# Altium PCB IMX035_PCB_Rev_C.c.PcbDoc (part 1 of 2) (continued)
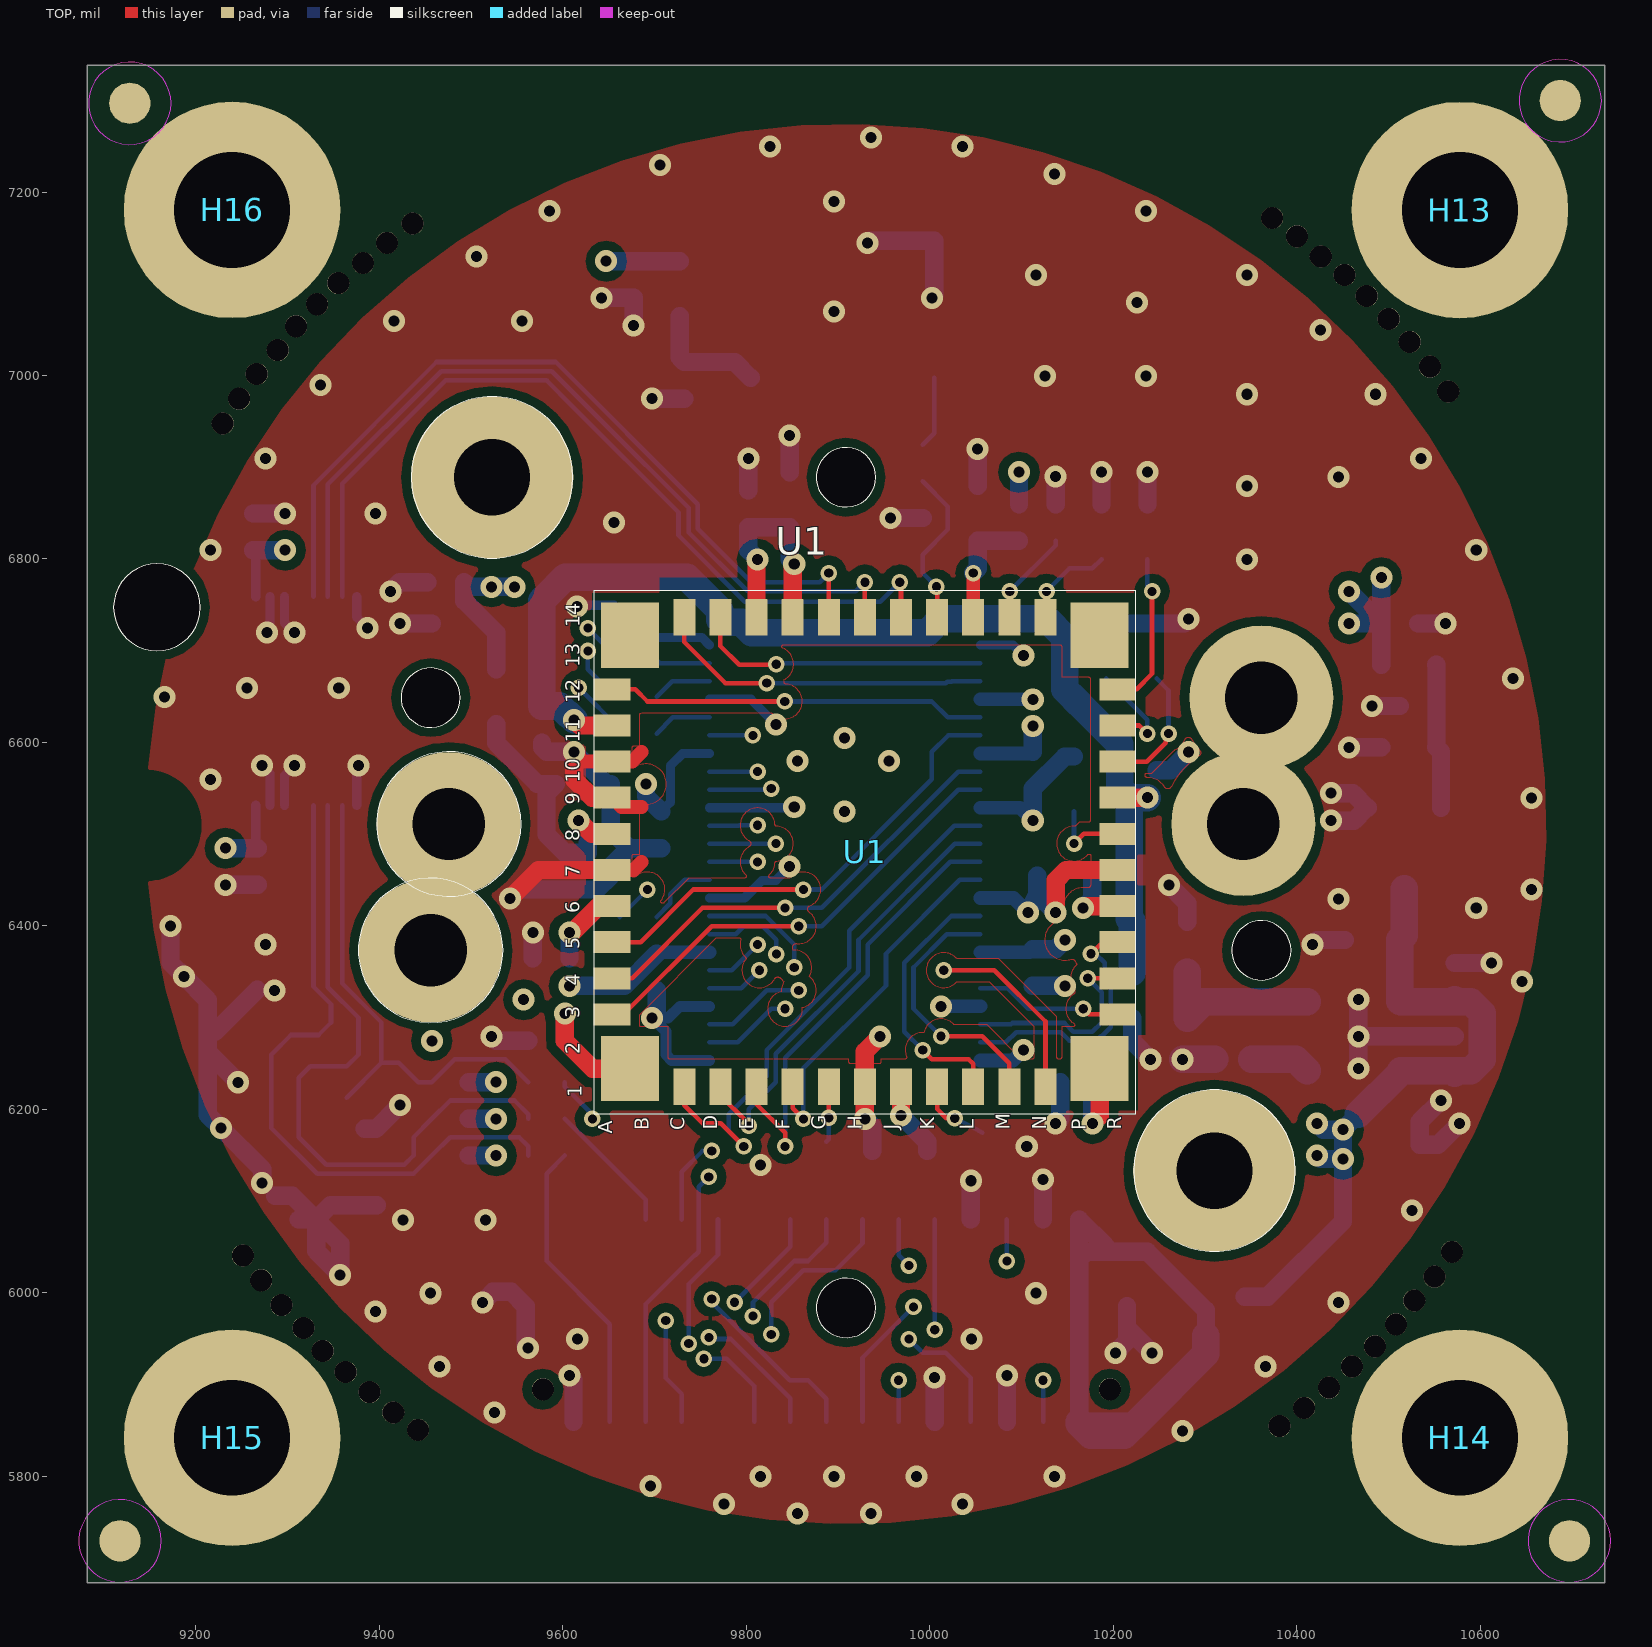
[diagram p0: TOP view]
## Design rules (kind name [scope] priority, off if disabled: settings)
Clearance Net_Clearance_1_7 [InNet('DCKP_S')] p1: gap=10
Clearance Net_Clearance_1_6 [InNet('HS')] p2: gap=10
Clearance Net_Clearance_1_5 [InNet('PCLK')] p3: gap=15
Clearance Net_Clearance_1_4 [InNet('MCLK')] p4: gap=15
Clearance Net_Clearance_1_3 [InNet('XHS_S')] p5: gap=10
Clearance Net_Clearance_1_2 [InNet('N22564367')] p6: gap=10
Clearance Net_Clearance_1_1 [InNet('N22565109')] p7: gap=10
Clearance Net_Clearance_1 [InNet('N22565100')] p8: gap=10
Clearance [All] p9: gap=10
PlaneConnect [All] p1: planeconnectstyle=Direct reliefexpansion=20 reliefentries=4 reliefconductorwidth=10 reliefairgap=10
PolygonConnect [All] p1: connectstyle=Direct reliefconductorwidth=10 reliefentries=4 polygonreliefangle="90 Angle"
RoutingVias [All] p1: holewidth=28 width=50 viastyle="Through Hole" minholewidth=28 minwidth=50 maxholewidth=28 maxwidth=50
SilkscreenOverComponentPads [All] p1: minsilkscreentomaskgap=10
SolderMaskExpansion [All] p1: expansion=4
Width [All] p1: maxlimit=10 minlimit=10 preferedwidth=10 impedancedriven=TRUE minimp=0.000000 maximp=0.000000 favimp=100000000000000005400000000000000.000000
26 further rules are at their usual default settings.

## Components (designator, comment, footprint, x,y, rotation, side; value= is the part's Value field where it differs from the comment)
C1 "C0603" C0603 10250.7,6404.54 r180 bottom
C2 "C0603" C0603 10250.7,6299.54 r0 bottom
C3 "C0603" C0603 10157.25,6554.65 r90 bottom
C4 "C0402" C0402 10330.7,6254.54 r0 bottom
C5 "C0603" C0603 10247.25,6699.65 r90 bottom
C6 "C0603" C0603 10192.25,6699.65 r90 bottom
C7 "C0603" C0603 10237.25,6829.65 r90 bottom
C8 "C0603" C0603 10187.25,6829.65 r90 bottom
C9 "C0603" C0603 10482.25,6384.65 r0 bottom
C10 "C0603" C0603 9622.25,6554.65 r180 bottom
C11 "C0603" C0603 9582.25,6469.65 r90 bottom
C12 "C0603" C0603 9487.25,6729.65 r0 bottom
C13 "C0603" C0603 10522.25,6594.65 r0 bottom
C14 "C0603" C0603 9967.25,6154.65 r0 bottom
C15 "C0603" C0603 10147.25,6454.65 r0 bottom
C16 "C0603" C0603 9847.25,6864.65 r270 bottom
C17 "C0603" C0603 10052.25,6849.65 r90 bottom
C18 "C1206" C1206 10492.25,6119.65 r225 bottom
C19 "C0402" C0402 9992.25,6824.65 r270 bottom
CP1 "C0402" C0402 10227.25,6569.65 r180 bottom
CP2 "C0402" C0402 9577.25,6619.65 r90 bottom
CP3 "C0402" C0402 9707.25,6504.65 r90 bottom
CP4 "C0402" C0402 10532.25,6639.65 r0 bottom
CP5 "C0402" C0402 9627.25,6459.65 r90 bottom
CP6 "C0402" C0402 9472.25,6774.65 r0 bottom
CP7 "C0402" C0402 10112.25,6569.65 r90 bottom
CP8 "C0402" C0402 10112.25,6354.65 r90 bottom
CP9 "C0402" C0402 10512.25,6729.65 r180 bottom
CP10 "C0402" C0402 9802.25,6854.65 r270 bottom
CP11 "C0402" C0402 10572.25,6339.65 r270 bottom
CP12 "C0402" C0402 9677.25,7104.65 r90 bottom
CP13 "C0402" C0402 9702.25,6349.65 r90 bottom
CP14 "C0402" C0402 9262.25,6829.65 r270 bottom
CP15 "C0402" C0402 9267.25,6464.65 r90 bottom
CP16 "C0402" C0402 9732.25,6994.65 r90 bottom
CP17 "C0402" C0402 9587.25,6364.65 r0 bottom
CP18 "C0402" C0402 10572.25,6259.65 r270 bottom
H13 "C236D118" C236D118 10577.96,7180.36 r0 top
H14 "C236D118" C236D118 10577.96,5841.84 r0 top
H15 "C236D118" C236D118 9239.38,5841.84 r0 top
H16 "C236D118" C236D118 9239.38,7180.42 r0 top
HS1 "TP" TP 9887.25,6164.65 r0 bottom
J1 "CON30_1MM" CON30_1MM 9887.25,5969.65 r0 bottom
J6 "CON4_1MM" CON4_1MM 9302.25,6199.65 r120 bottom
L1 "L0603" L0603 10250.7,6349.54 r0 bottom
L2 "L0603" L0603 10522.25,6684.65 r0 bottom
L3 "L0603" L0603 9527.25,6649.65 r90 bottom
L4 "L0603" L0603 10322.25,5974.65 r45 bottom
L5 "L0603" L0603 9727.25,7094.65 r90 bottom
R1 "R0402" R0402 10162.25,6229.65 r180 bottom
R2 "R0402" R0402 9582.25,6274.65 r0 bottom
R3 "R0402" R0402 10097.25,6839.65 r270 bottom
R4 "R0402" R0402 10137.25,6839.65 r90 bottom
R5 "R0402" R0402 9682.25,6689.65 r0 bottom
R6 "R0402" R0402 9682.25,6649.65 r0 bottom
R7 "R0402" R0402 9682.25,6609.65 r0 bottom
R8 "R0402" R0402 9582.25,6229.65 r180 bottom
R9 "R0402" R0402 9477.25,6149.65 r180 bottom
R10 "R0402" R0402 9477.25,6189.65 r180 bottom
R11 "R0402" R0402 9682.25,6409.65 r0 bottom
R12 "R0402" R0402 9582.25,6189.65 r0 bottom
R13 "R0402" R0402 9477.25,6229.65 r180 bottom
R14 "R0402" R0402 9582.25,6149.65 r180 bottom
R17 "R0402" R0402 9992.25,6904.65 r90 bottom
U1 "SENSOR_IMX035ES" SENSOR_IMX035ES 9929.25,6480.65 r90 top
U2 "Q_SOT23-5" Q_SOT23-5 10462.25,6279.65 r0 bottom
U3 "SOT-23" SOT-23 10517.25,6484.65 r180 bottom
U4 "TSSOP48-74LCX16245" TSSOP48-74LCX16245 9907.25,6479.65 r90 bottom
U5 "MPDS006C_16P" MPDS006C_16P 9322.25,6644.65 r180 bottom
VS1 "TP" TP 10057.25,6174.65 r0 bottom
X1 "OSC_SWOXX_H7XV5MM" OSC_SWOXX_H7XV5MM 9902.25,7074.65 r180 bottom

## Footprints (in the part's own frame and the unit in brackets; to place one, negate y for a bottom-side part, rotate by r counter-clockwise, add the part's x,y. Pads: shape width x height; smd on the part's side, far side on the other; paste and mask are expansions set on the pad)
C236D118 [mil] "C236D118"
  round 236 hole 126: 1(0,0)
C0402 [mil] "C0402"
  rect 20x20 smd: 1(20.05,0) 2(-19.95,0)
  silkscreen extent -39,-19 39,19
C0603 [mil] "C0603"
  rect 30x30 smd: 1(30,0) 2(-30,0)
  silkscreen extent -55,-25 55,25
C1206 [mil] "C1206"
  rect 53x70 smd: 1(59.1,0) 2(-59.1,0)
  silkscreen extent -100,-45 100,45
CON4_1MM [mil] "CON4_1MM"
  rect 24x60 smd: 1(59.06,60.52) 2(19.69,60.52) 3(-19.69,60.52) 4(-59.06,60.52)
  rect 47.01x79.02 smd: 5(-118.11,-34.95) 6(118.11,-34.95)
  silkscreen extent -118,-89 118,49
CON30_1MM [mil] "CON30_1MM"
  rect 24x65 smd: 1(275.59,110.24) 2(275.59,-110.24) 3(236.22,110.24) 4(236.22,-110.24) 5(196.85,110.24) 6(196.85,-110.24) 7(157.48,110.24) 8(157.48,-110.24) 9(118.11,110.24) 10(118.11,-110.24) 11(78.74,110.24) 12(78.74,-110.24) 13(39.37,110.24) 14(39.37,-110.24) 15(0,110.24) 16(0,-110.24) 17(-39.37,110.24) 18(-39.37,-110.24) 19(-78.74,110.24) 20(-78.74,-110.24) 21(-118.11,110.24) 22(-118.11,-110.24) 23(-157.48,110.24) 24(-157.48,-110.24) 25(-196.85,110.24) 26(-196.85,-110.24) 27(-236.22,110.24) 28(-236.22,-110.24) 29(-275.59,110.24) 30(-275.59,-110.24)
  rect 35x70 smd: 31(-327.76,-15.75) 32(327.76,-15.75)
  round 24 hole 24: 33(-309.06,74.8) 34(309.06,74.8)
  silkscreen extent -343,-106 343,106
L0603 [mil] "L0603"
  rect 30x30 smd: 1(30,0) 2(-30,0)
  silkscreen extent -55,-25 55,25
MPDS006C_16P [mil] "MPDS006C_16P"
  rect 8x39 smd: 1(57.09,114.18) 2(41.34,114.18) 3(25.59,114.18) 4(9.84,114.18) 5(-5.9,114.18) 6(-21.65,114.18) 7(-37.4,114.18) 8(-53.15,114.18) 9(-53.15,-113.18) 10(-37.4,-113.18) 11(-21.65,-113.18) 12(-5.9,-113.18) 13(9.84,-113.18) 14(25.59,-113.18) 15(41.34,-113.18) 16(57.09,-113.18)
  silkscreen extent -67,-86 89,121
OSC_SWOXX_H7XV5MM [mil] "OSC_SWOXX_H7XV5MM"
  rect 87x79 smd: 1(97.5,72.3) 2(-102.5,72.3) 3(-102.5,-77.3) 4(97.5,-77.3)
  silkscreen extent -140,-101 164,96
Q_SOT23-5 [mil] "Q_SOT23-5"
  rect 39x27 smd: 1(51,-37.4) 2(51,0) 3(51,37.4) 4(-51,37.4) 5(-51,-37.4)
  silkscreen extent -10462,-90 82,6280
R0402 [mil] "R0402"
  rect 20x20 smd: 1(20,0) 2(-20,0)
  silkscreen extent -40,-20 40,20
SENSOR_IMX035ES [mil] "SENSOR_IMX035ES"
  rect 71x63 smd: A1(-236.22,255.91) A14(236.22,255.91) R1(-236.22,-255.91) R14(236.22,-255.91)
  rect 24x40 smd: A3(-177.17,275.59) A4(-137.8,275.59) A5(-98.43,275.59) A6(-59.06,275.59) A7(-19.69,275.59) A8(19.69,275.59) A9(59.06,275.59) A10(98.43,275.59) A11(137.8,275.59) A12(177.17,275.59) R3(-177.17,-275.59) R4(-137.8,-275.59) R5(-98.43,-275.59) R6(-59.06,-275.59) R7(-19.69,-275.59) R8(19.69,-275.59) R9(59.06,-275.59) R10(98.43,-275.59) R11(137.8,-275.59) R12(177.17,-275.59)
  rect 40x24 smd: C1(-255.91,196.85) C14(255.91,196.85) D1(-255.91,157.48) D14(255.91,157.48) E1(-255.91,118.11) E14(255.91,118.11) F1(-255.91,78.74) F14(255.91,78.74) G1(-255.91,39.37) G14(255.91,39.37) H1(-255.91,0) H14(255.91,0) J1(-255.91,-39.37) J14(255.91,-39.37) K1(-255.91,-78.74) K14(255.91,-78.74) L1(-255.91,-118.11) L14(255.91,-118.11) M1(-255.91,-157.48) M14(255.91,-157.48) N1(-255.91,-196.85) N14(255.91,-196.85)
  silkscreen extent -285,-295 285,295
SOT-23 [mil] "SOT-23"
  rect 40x50 smd: 1(40,44) 2(-40,44) 3(0,-44)
  silkscreen extent -60,-28 60,28
TP [mil] "TP"
  round 30 smd: 1(0,0)
  silkscreen extent -22,-22 22,22
TSSOP48-74LCX16245 [mm] "TSSOP48-74LCX16245"
  rect 0.3x1.372 smd: 1(5.75,3.757) 2(5.25,3.757) 3(4.75,3.757) 4(4.25,3.757) 5(3.75,3.757) 6(3.25,3.757) 7(2.75,3.757) 8(2.25,3.757) 9(1.75,3.757) 10(1.25,3.757) 11(0.75,3.757) 12(0.25,3.757) 13(-0.25,3.757) 14(-0.75,3.757) 15(-1.25,3.757) 16(-1.75,3.757) 17(-2.25,3.757) 18(-2.75,3.757) 19(-3.25,3.757) 20(-3.75,3.757) 21(-4.25,3.757) 22(-4.75,3.757) 23(-5.25,3.757) 24(-5.75,3.757) 25(-5.75,-3.743) 26(-5.25,-3.743) 27(-4.75,-3.743) 28(-4.25,-3.743) 29(-3.75,-3.743) 30(-3.25,-3.743) 31(-2.75,-3.743) 32(-2.25,-3.743) 33(-1.75,-3.743) 34(-1.25,-3.743) 35(-0.75,-3.743) 36(-0.25,-3.743) 37(0.25,-3.743) 38(0.75,-3.743) 39(1.25,-3.743) 40(1.75,-3.743) 41(2.25,-3.743) 42(2.75,-3.743) 43(3.25,-3.743) 44(3.75,-3.743) 45(4.25,-3.743) 46(4.75,-3.743) 47(5.25,-3.743) 48(5.75,-3.743)
  silkscreen extent -6.25,-2.79 6.25,2.81

## Free pads (board coordinates)
  round 45 all layers, no hole: 1(9117.25,5729.65) 1(9127.92,7296.74) 1(10687.25,7299.65) 1(10697.25,5729.65)
  round 95 hole 95: 1(9157.54,6747.29)
  round 24 hole 24: 1(9229.19,6947.65) 1(9247.19,6974.65) 1(9251.19,6040.65) 1(9266.19,7001.65) 1(9271.19,6013.65) 1(9289.19,7027.65) 1(9293.19,5986.65) 1(9309.19,7053.65) 1(9317.19,5961.65) 1(9332.19,7077.65) 1(9338.19,5936.65) 1(9355.19,7100.65) 1(9363.19,5913.65) 1(9382.19,7122.65) 1(9389.19,5891.65) 1(9408.19,7144.65) 1(9415.19,5869.65) 1(9436.19,7165.65) 1(9442.19,5850.65) 1(10373.19,7171.65) 1(10381.19,5854.65) 1(10400.19,7151.65) 1(10408.19,5874.65) 1(10426.19,7129.65) 1(10435.19,5896.65) 1(10452.19,7109.65) 1(10460.19,5919.65) 1(10476.19,7086.65) 1(10485.19,5941.65) 1(10500.19,7061.65) 1(10508.19,5965.65) 1(10523.19,7036.65) 1(10528.19,5991.65) 1(10545.19,7009.65) 1(10550.19,6017.65) 1(10565.19,6982.65) 1(10569.19,6044.65)
  round 157 hole 79: 1(9455.92,6373.27) 1(9475.6,6511.07) 1(10341.74,6511.07) 1(10361.43,6648.86)
  round 65 hole 65: 1(9455.92,6648.86) 1(9908.67,6889.02) 1(9908.67,5983.51) 1(10361.43,6373.27)
  round 177 hole 83: 1(9522.85,6889.02) 1(10310.25,6133.12)

## Via types
v1: diameter 24, hole 12, TOP to BOTTOM, 177 vias
v2: diameter 18, hole 10, TOP to BOTTOM, 63 vias

## Nets (pads, with @x,y where several pads share a name; then routed paths per layer and width w, separated by ;. In a path a pad name is that pad's centre, name@x,y a point inside that pad or via, vN(x,y) a via of type N, cw(c..) or ccw(c..) an arc to the next point about the centre after c; other vN are vias at no path point)
3V3_S: C9.1 C18.1 CP3.1 CP11.1 CP13.1 CP15.1 CP18.1 L4.1 R9.2 R10.2 R13.2 U2.1 U2.3 U3.3 U4.31 U4.42 U5.16 | length 1284
  BOTTOM w10: U5.16@9265.17,6531.47 9265.17,6486.79 CP15.1@9267.25,6484.7 ; CP3.1@9707.25,6524.7 9717.25,6534.7 9717.25,6574.65 9730.52,6587.93 U4.42@9759.89,6587.93
  BOTTOM w15: CP13.1@9702.25,6369.7 9703.93,6371.38 U4.31@9759.89,6371.38
  BOTTOM w20: v1(9232.25,6484.65) v1(9232.25,6484.65) CP15.1@9267.25,6484.7 ; R9.2@9497.25,6149.65 v1(9527.25,6149.65) ; R10.2@9497.25,6189.65 v1(9527.25,6189.65) ; R13.2@9497.25,6229.65 v1(9527.25,6229.65) ; v1(9607.25,6334.65) 9667.25,6334.65 CP13.1@9702.25,6369.7 ; v1(9690.7,6554.54) 9690.7,6541.25 CP3.1@9707.25,6524.7 ; L4.1@10343.47,5995.87 10368.47,5995.87 C18.1@10450.46,6077.86 v1(10450.46,6145.94) ; v1(10422.25,6149.65) 10425.97,6145.94 v1(10450.46,6145.94) ; v1(10422.25,6184.65) 10429.04,6177.86 v1(10450.46,6177.86) ; 10467.25,6194.65 v1(10450.46,6177.86) ; CP18.1@10572.25,6239.6 10587.2,6239.6 10589.85,6242.25 ; CP11.1@10572.25,6319.6 10577.2,6314.65 10592.25,6314.65 ; v1(10450.46,6145.94) v1(10450.46,6177.86)
  BOTTOM w30: 10467.25,6194.65 10513.25,6240.65 U2.3@10513.25,6242.25 CP18.1@10569.61,6242.25 ; U3.3@10517.25,6440.65 10517.25,6389.65 C9.1@10512.25,6384.65 10512.25,6318.06 U2.1@10513.25,6317.06 CP11.1@10569.7,6317.06 ; CP18.1@10572.25,6239.6 CP18.1@10569.61,6242.25 ; CP11.1@10572.25,6319.6 CP11.1@10569.7,6317.06 ; CP18.1@10569.61,6242.25 10589.85,6242.25 10602.25,6254.65 10602.25,6304.65 10592.25,6314.65 10589.85,6317.06 CP11.1@10569.7,6317.06
  other v1: 9457.25,6274.65 9557.25,6319.65
A1V8_S: C10.1 C11.1 CP5.1 L3.2 U1.A8 | length 297.5
  TOP w20: v1(9617.25,6514.65) 9631.56,6500.34 U1.A8@9653.66,6500.34
  BOTTOM w20: L3.2@9527.25,6619.65 9527.25,6599.65 9572.25,6554.65 C10.1@9592.25,6554.65 9582.25,6544.65 C11.1@9582.25,6499.65 9602.2,6479.7 CP5.1@9627.25,6479.7 9627.25,6504.65 v1(9617.25,6514.65)
A2_3V3: 
A3V0_S: C1.1 CP1.1 CP2.1 L1.2 U1.A11 U1.R9 | length 1274.4
  TOP w20: v1(9612.25,6624.65) 9618.45,6618.45 U1.A11@9653.66,6618.45 ; U1.R9@10204.84,6539.71 v1(10237.25,6539.71)
  BOTTOM w30: v1(9612.25,6624.65) 9606.25,6630.65 9605.24,6630.65 9596.19,6639.7 CP2.1@9577.25,6639.7 9577.25,6754.65 9583.62,6761.02 9583.62,6761.16 9602.37,6779.91 9735.33,6779.91 9771.28,6743.96 9771.28,6733.53 9773.88,6730.94 9794.77,6730.94 9806.05,6719.65 9997.25,6719.65 10012.25,6734.65 10127.25,6734.65 10147.25,6714.65 10147.25,6657.99 10158.25,6646.99 10158.25,6646.78 10169.38,6635.65 10169.59,6635.65 10207.2,6598.04 CP1.1@10207.2,6569.65 10207.2,6549.71 10217.2,6539.71 ; L1.2@10220.7,6349.54 C1.1@10220.7,6404.54 10217.2,6408.04 10217.2,6539.71 ; v1(10237.25,6539.71) 10217.2,6539.71
AGND_2: 
D0: 
D1: 
D1V8_S: C12.1 C14.1 C15.1 CP6.1 CP7.1 CP8.1 CP9.1 CP12.1 CP14.1 CP17.1 L2.2 L3.1 L5.1 R3.2 U1.A6 U1.J1 U1.R6 U4.7 U4.18 U5.1 | length 977.2
  TOP w20: v1(9607.25,6392.65) 9610.25,6392.65 9639.19,6421.59 U1.A6@9653.66,6421.59 ; v1(9968.62,6193.28) U1.J1@9968.62,6224.74 ; v1(10167.25,6419.65) 10169.19,6421.59 U1.R6@10204.84,6421.59
  BOTTOM w10: CP14.1@9262.25,6809.6 9265.17,6806.69 U5.1@9265.17,6758.83
  BOTTOM w15: U4.18@10055.17,6371.38 10108.93,6371.38 CP8.1@10112.25,6374.7 ; U4.7@10055.17,6587.93 10110.48,6587.93 CP7.1@10112.25,6589.7
  BOTTOM w20: CP14.1@9262.25,6809.6 9297.2,6809.6 v1(9297.25,6809.65) ; L3.1@9527.25,6679.65 9527.25,6719.65 C12.1@9517.25,6729.65 9492.3,6754.6 CP6.1@9492.3,6774.65 9497.3,6769.65 v1(9522.25,6769.65) v1(9547.25,6769.65) ; v1(9607.25,6392.65) 9607.25,6389.6 CP17.1@9607.3,6364.65 ; v1(9647.25,7124.65) v1(9647.25,7124.65) CP12.1@9677.25,7124.7 9727.2,7124.7 L5.1@9727.25,7124.65 ; v1(9968.62,6193.28) 9997.25,6164.65 C14.1@9997.25,6154.65 ; R3.2@10097.25,6859.65 v1(10097.25,6894.65) ; CP8.1@10112.25,6374.7 10137.3,6374.7 v1(10147.25,6384.65) ; CP7.1@10112.25,6589.7 v1(10112.25,6617.7) ; v1(10167.25,6419.65) 10177.25,6429.65 C15.1@10177.25,6454.65 ; v1(10457.25,6729.65) CP9.1@10492.2,6729.65 10492.25,6729.6 L2.2@10492.25,6684.65 ; v1(10457.25,6764.65) CP9.1@10492.2,6729.65 v1(10492.2,6779.65)
D2: 
D2_1V2: 
D2_1V8: 
D2_3V3: 
D3: 
D4: 
D5: 
D6: 
D7: 
D8: 
D9: 
D10: 
D11: 
DCKP_S: U1.F1 U4.14 | length 393.5
  TOP w5: U1.F1@9850.51,6224.74 9850.51,6201.39 v2(9862.25,6189.65)
  BOTTOM w5: v2(9862.25,6189.65) 9862.25,6244.65 9952.25,6334.65 9952.25,6369.65 10032.72,6450.12 U4.14@10055.17,6450.12
DGND_2: 
DMODE_S: R4.2 U1.M14 | length 104
  TOP w5: U1.M14@10086.73,6736.56 10086.73,6764.13 v2(10087.25,6764.65)
  BOTTOM w5: v2(10087.25,6764.65) 10137.25,6814.65 R4.2@10137.25,6819.65
DOA0: U1.A5 U4.6 | length 512.4
  TOP w5: U1.A5@9653.66,6382.22 9684.82,6382.22 9742.25,6439.65 v2(9862.25,6439.65)
  BOTTOM w5: v2(9862.25,6439.65) 9882.25,6439.65 10002.25,6559.65 10002.25,6589.65 10020.2,6607.6 U4.6@10055.17,6607.6
DOA1: U1.A4 U4.8 | length 494.9
  TOP w5: U1.A4@9653.66,6342.85 9675.45,6342.85 9752.25,6419.65 v2(9842.25,6419.65)
  BOTTOM w5: v2(9842.25,6419.65) 9882.25,6419.65 10030.83,6568.23 U4.8@10055.17,6568.23
DOA2: U1.A3 U4.9 | length 503
  TOP w5: U1.A3@9653.66,6303.48 9666.08,6303.48 9762.25,6399.65 v2(9857.25,6399.65)
  BOTTOM w5: v2(9857.25,6399.65) 9882.25,6399.65 10031.16,6548.56 U4.9@10055.17,6548.56
DOA3: U1.C1 U4.11 | length 590.4
  TOP w5: U1.C1@9732.4,6224.74 9732.4,6204.5 9752.25,6184.65 9772.25,6184.65 v2(9797.25,6159.65)
  BOTTOM w5: v2(9797.25,6159.65) 9780.7,6176.2 9780.7,6194.54 9822.25,6236.09 9822.25,6264.65 9912.25,6354.65 9912.25,6394.65 10026.78,6509.18 U4.11@10055.17,6509.18
DOA4: U1.D1 U4.12 | length 484.1
  TOP w5: U1.D1@9771.77,6224.74 9771.77,6215.13 9799.94,6186.97 9799.94,6184.86 v2(9802.83,6181.97)
  BOTTOM w5: v2(9802.83,6181.97) 9802.83,6200.23 9832.25,6229.65 9832.25,6260.51 9922.25,6350.51 9922.25,6384.65 10027.09,6489.49 U4.12@10055.17,6489.49
DOA5: U1.E1 U4.13 | length 495.5
  TOP w5: U1.E1@9811.14,6224.74 9811.14,6205.76 9842.25,6174.65 v2(9842.25,6159.65)
  BOTTOM w5: v2(9842.25,6159.65) 9842.25,6256.37 9932.25,6346.37 9932.25,6379.65 10022.41,6469.81 U4.13@10055.17,6469.81
DOA6: U1.L1 U4.16 | length 293.5
  TOP w5: v2(9992.25,6264.65) 10002.25,6254.65 10042.25,6254.65 10047.36,6249.54 U1.L1@10047.36,6224.74
  BOTTOM w5: v2(9992.25,6264.65) 9972.25,6284.65 9972.25,6359.65 10023.35,6410.75 U4.16@10055.17,6410.75
DOA7: U1.M1 U4.17 | length 287.5
  TOP w5: v2(10012.25,6279.65) 10057.25,6279.65 10086.73,6250.17 U1.M1@10086.73,6224.74
  BOTTOM w5: v2(10012.25,6279.65) 9982.25,6309.65 9982.25,6354.65 10018.67,6391.07 U4.17@10055.17,6391.07
DOA8: U1.N1 U4.19 | length 245.1
  TOP w5: v2(10015.2,6351.7) 10070.2,6351.7 10126.1,6295.8 U1.N1@10126.1,6224.74
  BOTTOM w5: v2(10015.2,6351.7) U4.19@10055.17,6351.7
DOA9: U1.R3 U4.20 | length 161.5
  TOP w5: v2(10167.25,6309.65) 10173.42,6303.48 U1.R3@10204.84,6303.48
  BOTTOM w5: U4.20@10055.17,6332.01 10084.9,6332.01 10107.25,6309.65 v2(10167.25,6309.65)
DOA10: U1.R4 U4.22 | length 227.8
  TOP w5: v2(10172.25,6342.85) U1.R4@10204.84,6342.85
  BOTTOM w5: U4.22@10055.17,6292.64 10088.52,6292.64 10090.03,6294.15 10146.9,6294.15 10156.4,6284.65 10177.25,6284.65 10187.25,6294.65 10187.25,6327.85 v2(10172.25,6342.85)
DOA11: U1.R5 U4.23 | length 283
  TOP w5: v2(10175.7,6369.54) 10188.39,6382.22 U1.R5@10204.84,6382.22
  BOTTOM w5: U4.23@10055.17,6272.96 10082.99,6272.96 10094.17,6284.15 10142.75,6284.15 10152.25,6274.65 10181.4,6274.65 10186.4,6279.65 10187.25,6279.65 10197.25,6289.65 10197.25,6337.84 10190.56,6344.53 10190.56,6359.68 10180.7,6369.54 v2(10175.7,6369.54)
GND_S: C1.2 C2.2 C3.1 C4.2 C5.1 C6.1 C7.1 C8.1 C9.2 C10.2 C11.2 C12.2 C13.2 C14.2 C15.2 C16.2 C17.1 C18.2 C19.2 CP1.2 CP2.2 CP3.2 CP4.2 CP5.2 CP6.2 CP7.2 CP8.2 CP9.2 CP10.2 CP11.2 CP12.2 CP13.2 CP14.2 CP15.2 CP16.2 CP17.2 CP18.2 J1.4 J1.5 J1.8 J1.9 J1.29 J1.31 J1.32 J6.4 J6.5 J6.6 R1.1 R2.2 R4.1 U1.A7 U1.A9 U1.A10 U1.H1 U1.R7 U2.2 U3.1 U4.1 U4.4 U4.10 U4.15 U4.21 U4.24 U4.25 U4.28 U4.34 U4.39 U4.45 U4.48 U5.2 U5.3 U5.8 U5.9 U5.14 U5.15 X1.2 | length 5189.1
  TOP w15: v1(9612.25,6589.65) 9622.82,6579.08 U1.A10@9653.66,6579.08 9675.25,6579.08 9685.7,6589.54 ; U1.A7@9653.66,6460.96 9677.13,6460.96 9685.7,6469.54 ; U1.A9@9653.66,6539.71 9663.83,6529.54 9685.7,6529.54
  TOP w20: v1(9542.25,6429.65) 9573.56,6460.96 U1.A7@9653.66,6460.96 ; v1(9612.25,6589.65) 9612.25,6559.65 9632.19,6539.71 U1.A9@9653.66,6539.71 ; v1(9929.25,6189.65) U1.H1@9929.25,6224.74 9929.25,6263.09 v1(9945.7,6279.54) ; v1(10137.25,6414.65) 10137.25,6449.65 10148.56,6460.96 U1.R7@10204.84,6460.96
  BOTTOM w10: v1(9272.25,6574.65) 9280.91,6565.99 U5.15@9280.91,6531.47 ; v1(9277.25,6719.65) 9280.91,6723.31 U5.2@9280.91,6758.83 ; U5.14@9296.67,6531.47 9296.67,6564.06 v1(9307.25,6574.65) ; U5.3@9296.67,6758.83 9296.67,6730.24 v1(9307.25,6719.65) ; U5.9@9375.4,6531.47 9375.4,6572.8 v1(9377.25,6574.65) ; U5.8@9375.4,6758.83 9375.4,6736.51 v1(9387.25,6724.65) ; v1(9615.62,6747.91) 9617.25,6749.54 9655.7,6749.54 9690.7,6714.54 9751.38,6714.54 U4.48@9759.89,6706.03 ; U4.34@9759.89,6430.44 9798.04,6430.44 9817.25,6449.65 9832.25,6449.65 v1(9847.25,6464.65) ; U4.39@9759.89,6528.86 9851.46,6528.86 v1(9852.25,6529.65) ; U4.45@9759.89,6646.97 9804.93,6646.97 v1(9832.25,6619.65) ; U4.1@10055.17,6706.03 10090.87,6706.03 v1(10102.25,6694.65)
  BOTTOM w12: U4.25@9759.89,6253.27 9718.64,6253.27 9712.25,6259.65 9712.25,6284.65 v1(9697.25,6299.65) 9714.78,6299.65 9727.46,6312.33 U4.28@9759.89,6312.33
  BOTTOM w15: v1(10012.25,6312.33) U4.21@10055.17,6312.33 ; U4.24@10055.17,6253.27 10090.87,6253.27 v1(10102.25,6264.65) ; U4.15@10055.17,6430.44 10091.46,6430.44 v1(10107.25,6414.65) ; U4.10@10055.17,6528.86 10098.04,6528.86 v1(10112.25,6514.65) ; U4.4@10055.17,6646.97 v1(10112.25,6646.97)
  BOTTOM w20: v1(9172.25,6399.65) 9172.25,6359.65 v1(9187.25,6344.65) 9212.93,6318.98 J6.6@9212.93,6284.47 ; v1(9232.25,6444.65) v1(9232.25,6444.65) CP15.2@9267.25,6444.7 ; v1(9245.7,6229.54) J6.6@9212.93,6262.31 ; CP14.2@9262.25,6849.6 9297.2,6849.6 v1(9297.25,6849.65) ; 9266.95,6330.54 9220.87,6284.47 J6.6@9212.93,6284.47 ; v1(9272.25,6119.65) 9272.25,6134.65 v1(9227.25,6179.65) 9212.93,6193.98 J6.6@9212.93,6262.31 ; 9286.16,6105.74 9305.19,6105.74 J6.5@9331.04,6079.89 ; J6.5@9312.01,6079.89 J6.5@9331.04,6079.89 ; J6.4@9384.19,6178.77 9396.37,6178.77 v1(9422.25,6204.65) ; 9396.95,6095.54 9346.69,6095.54 J6.5@9331.04,6079.89 ; v1(9412.25,6764.65) 9422.25,6774.65 CP6.2@9452.3,6774.65 ; v1(9422.25,6729.65) C12.2@9457.25,6729.65 ; v1(9512.25,5989.65) 9523.65,6001.05 9543.84,6001.05 J1.31@9559.49,5985.4 9559.49,5942.41 v1(9562.25,5939.65) ; v1(9522.25,6279.65) 9527.25,6274.65 R2.2@9562.25,6274.65 ; v1(9542.25,6429.65) 9552.25,6439.65 C11.2@9582.25,6439.65 C11.2@9582.25,6439.65 CP5.2@9627.25,6439.7 9637.3,6439.7 9652.25,6454.65 9652.25,6464.65 9672.25,6484.65 ; CP17.2@9567.3,6364.65 v1(9567.3,6392.65) ; CP2.2@9577.25,6599.7 9577.25,6594.65 9582.25,6589.65 v1(9612.25,6589.65) 9647.25,6554.65 C10.2@9652.25,6554.65 9652.25,6504.65 9672.25,6484.65 ; v1(9607.25,5909.65) 9611.66,5905.24 J1.29@9611.66,5859.41 ; v1(9642.25,7084.65) v1(9642.25,7084.65) CP12.2@9677.25,7084.7 v1(9677.25,7054.65) ; v1(9697.25,6299.65) 9702.25,6304.65 CP13.2@9702.25,6329.7 ; v1(9697.25,6974.65) v1(9697.25,6974.65) CP16.2@9732.25,6974.7 ; CP3.2@9707.25,6484.7 9707.2,6484.65 9672.25,6484.65 ; CP10.2@9802.25,6874.6 v1(9802.25,6909.65) ; C16.2@9847.25,6894.65 v1(9847.25,6934.65) ; v1(9929.25,6189.65) 9937.25,6181.65 C14.2@9937.25,6154.65 ; v1(9932.25,7144.65) 9934.55,7146.95 X1.2@10004.75,7146.95 10004.75,7087.15 v1(10002.25,7084.65) ; v1(9957.25,6844.65) 9957.3,6844.6 C19.2@9992.25,6844.6 ; J1.9@10005.36,5859.41 v1(10005.36,5907.76) ; J1.8@10044.73,6079.89 v1(10044.73,6122.17) ; C17.1@10052.25,6879.65 v1(10052.25,6919.65) ; J1.5@10084.1,5859.41 v1(10084.1,5909.65) ; v1(10107.25,6414.65) 10117.25,6434.65 ; CP8.2@10112.25,6334.7 v1(10147.2,6334.7) ; v1(10112.25,6514.65) CP7.2@10112.25,6549.7 10147.2,6584.65 C3.1@10157.25,6584.65 ; C15.2@10117.25,6454.65 10117.25,6434.65 ; J1.4@10123.47,6079.89 v1(10123.47,6123.43) ; v1(10137.25,6184.65) 10142.25,6189.65 R1.1@10142.25,6229.65 ; v1(10137.25,6414.65) 10117.25,6434.65 ; R4.1@10137.25,6859.65 v1(10137.25,6889.65) ; C8.1@10187.25,6859.65 v1(10187.25,6894.65) ; C6.1@10192.25,6729.65 C5.1@10247.25,6729.65 10277.25,6729.65 v1(10282.25,6734.65) ; v1(10202.25,5934.65) 10215.01,5947.41 J1.32@10215.01,5961.89 ; J1.32@10215.01,5985.4 J1.32@10215.01,5961.89 ; C2.2@10220.7,6299.54 10220.7,6274.54 v1(10240.7,6254.54) ; C7.1@10237.25,6859.65 v1(10237.25,6894.65) ; v1(10242.25,5934.65) J1.32@10215.01,5961.89 ; CP1.2@10247.2,6569.65 10262.25,6569.65 v1(10282.25,6589.65) ; v1(10260.7,6444.54) 10280.7,6424.54 C1.2@10280.7,6404.54 ; v1(10417.25,6379.65) 10422.25,6384.65 C9.2@10452.25,6384.65 ; v1(10437.25,6514.65) 10462.25,6514.65 10476.25,6528.65 U3.1@10477.25,6528.65 10461.25,6544.65 v1(10437.25,6544.65) ; v1(10457.25,6594.65) C13.2@10492.25,6594.65 ; v1(10467.25,6244.65) v1(10467.25,6279.65) ; v1(10467.25,6319.65) v1(10467.25,6279.65) ; v1(10482.25,6639.65) CP4.2@10512.3,6639.65 ; CP9.2@10532.2,6729.65 v1(10562.25,6729.65) ; v1(10557.25,6209.65) 10534.04,6186.44 C18.2@10534.04,6161.44 10554.04,6161.44 v1(10577.25,6184.65) ; CP18.2@10572.25,6279.6 10513.3,6279.6 U2.2@10513.25,6279.65 v1(10467.25,6279.65) ; CP11.2@10572.25,6359.6 10612.2,6359.6 v1(10612.25,6359.65) ; J6.6@9212.93,6262.31 J6.6@9212.93,6284.47 ; J6.5@9331.04,6079.89 9357.25,6053.68 v1(9357.25,6019.65) 9331.04,6045.86 J6.5@9331.04,6079.89
  BOTTOM w30: v1(10275.7,6254.54) C4.2@10310.75,6254.54
  other v1: 9855.7,5759.54 9935.7,5759.54 9775.7,5769.54 10035.7,5769.54 9695.7,5789.54 9815.7,5799.54 9895.7,5799.54 9985.7,5799.54 10135.7,5799.54 10275.7,5849.54 9525.7,5869.54 9465.7,5919.54 10365.7,5919.54 9615.7,5949.54 10045.7,5949.54 9395.7,5979.54 10445.7,5989.54 9455.7,5999.54 10115.7,5999.54 9425.7,6079.54 9515.7,6079.54 10525.7,6089.54 9815.7,6139.54 10105.7,6159.54 9285.7,6329.54 10645.7,6339.54 9275.7,6379.54 10595.7,6419.54 10445.7,6429.54 10655.7,6439.54 9907.25,6524.65 10655.7,6539.54 9215.7,6559.54 9855.7,6579.54 9955.7,6579.54 9907.25,6604.65 9165.7,6649.54 9255.7,6659.54 9355.7,6659.54 10635.7,6669.54 10345.7,6799.54 9215.7,6809.54 10595.7,6809.54 9655.7,6839.54 9395.7,6849.54 10345.7,6879.54 10445.7,6889.54 9275.7,6909.54 10535.7,6909.54 10345.7,6979.54 10485.7,6979.54 9335.7,6989.54 10125.7,6999.54 10235.7,6999.54 10425.7,7049.54 9415.7,7059.54 9555.7,7059.54 9895.7,7069.54 10225.7,7079.54 10115.7,7109.54 10345.7,7109.54 9505.7,7129.54 9585.7,7179.54 10235.7,7179.54 9895.7,7189.54 10135.7,7219.54 9705.7,7229.54 9825.7,7249.54 10035.7,7249.54 9935.7,7259.54
HS: 
INCK_S: C19.1 R17.2 U1.K14 | length 177.4
  TOP w5: v2(10007.25,6769.65) 10007.99,6768.91 U1.K14@10007.99,6736.56
  BOTTOM w5: C19.1@9992.25,6804.6 9992.25,6784.65 v2(10007.25,6769.65) ; C19.1@9992.25,6804.65 10019.75,6832.15 10019.75,6857.15 R17.2@9992.25,6884.65
MCLK: 
N22563970: CP16.1 L5.2 X1.4 | length 131.7
  BOTTOM w20: L5.2@9727.25,7064.65 9727.25,7019.7 CP16.1@9732.25,7014.7 9787.41,7014.7 X1.4@9804.75,6997.35
N22563992: C13.1 CP4.1 L2.1 U3.2 | length 158.1
  BOTTOM w20: L2.1@10552.25,6684.65 10552.3,6684.6 CP4.1@10552.3,6639.65 C13.1@10552.25,6594.65 C13.1@10552.25,6594.65 10557.25,6589.65 U3.2@10557.25,6528.65
N22564127: J1.17 R8.2 | length 484.9
  A-GND w5: v2(9632.25,6189.65) 9632.25,6079.65 9757.25,5954.65 9757.25,5953.39 v2(9759.24,5951.4)
  BOTTOM w5: R8.2@9602.25,6229.65 9602.25,6224.65 9632.25,6194.65 v2(9632.25,6189.65) ; v2(9759.24,5951.4) 9760.99,5949.65 9783.11,5949.65 9847.88,5884.88 J1.17@9847.88,5859.41
N22564288: R1.2 U1.R1 | length 110.1
  TOP w20: v1(10177.25,6184.65) 10185.16,6192.56 U1.R1@10185.16,6244.43
  BOTTOM w20: v1(10177.25,6184.65) 10177.25,6224.65 R1.2@10182.25,6229.65
N22564333: R17.1 X1.3 | length 77.9
  BOTTOM w5: R17.1@9992.25,6924.65 10004.75,6937.15 X1.3@10004.75,6997.35
N22564367: R11.1 U4.35 | length 80.3
  BOTTOM w5: R11.1@9702.25,6409.65 9717.25,6424.65 9717.25,6434.65 9732.72,6450.12 U4.35@9759.89,6450.12
N22564387: C4.1 U2.4 | length 65.6
  BOTTOM w30: C4.1@10350.75,6254.54 10398.97,6254.54 U2.4@10411.25,6242.25
N22564774: J1.26 R12.1 | length 146.3
  BOTTOM w5: R12.1@9602.25,6189.65 9690.4,6101.5 J1.26@9690.4,6079.89
N22564801: J1.1 J1.2 L4.2 | length 729.5
  BOTTOM w20: 10227.01,5859.41 J1.1@10162.84,5859.41 10162.84,6036.58 ; L4.2@10301.04,5953.44 10301.04,5980.87 10237.25,6044.65 10191.38,6044.65 ; 10162.84,6036.58 J1.2@10162.84,6079.89 10191.38,6051.36 10191.38,6044.65 ; 10162.84,6036.58 10170.92,6044.65 10191.38,6044.65
  BOTTOM w30: J1.1@10162.84,5859.41 10162.84,5857.4 10175.7,5844.54 10212.14,5844.54 10227.01,5859.41 10301.04,5933.44 L4.2@10301.04,5953.44
N22564890: C8.2 U1.N14 | length 103.1
  TOP w5: U1.N14@10126.1,6736.56 10126.1,6763.5 v2(10127.25,6764.65)
  BOTTOM w5: v2(10127.25,6764.65) 10152.25,6789.65 10177.25,6789.65 C8.2@10187.25,6799.65
N22565076: R7.1 U4.44 | length 64.9
  BOTTOM w5: R7.1@9702.25,6609.65 9719.9,6627.3 U4.44@9759.89,6627.3
N22565100: R5.1 U4.47 | length 59
  BOTTOM w5: R5.1@9702.25,6689.65 9705.56,6686.34 U4.47@9759.89,6686.34
N22565109: R6.1 U4.46 | length 64.7
  BOTTOM w5: R6.1@9702.25,6649.65 9719.26,6666.66 U4.46@9759.89,6666.66
N22565281: R2.1 U1.A1 | length 143.6
  TOP w20: v1(9602.25,6304.65) 9602.25,6274.65 9632.47,6244.43 U1.A1@9673.34,6244.43
  BOTTOM w20: R2.1@9602.25,6274.65 v1(9602.25,6304.65)
N22565342: J1.27 R14.2 | length 327
  BOTTOM w5: R14.2@9602.25,6149.65 9582.25,6129.65 9582.25,6034.65 9651.03,5965.87 J1.27@9651.03,5859.41
N22565423: U1.K1 VS1.1 | length 81.6
  TOP w5: U1.K1@10007.99,6224.74 10007.99,6200.39 10017.99,6190.39 v2(10027.25,6190.39)
  BOTTOM w5: v2(10027.25,6190.39) VS1.1@10057.25,6174.65
N22565446: HS1.1 U1.G1 | length 61.2
  TOP w5: v2(9889.88,6190.9) U1.G1@9889.88,6224.74
  BOTTOM w5: HS1.1@9887.25,6164.65 9889.88,6167.28 v2(9889.88,6190.9)
N22565722: C2.1 L1.1 U2.5 | length 187.8
  BOTTOM w30: L1.1@10280.7,6349.54 C2.1@10280.7,6299.54 10298.22,6317.06 U2.5@10411.25,6317.06
N22565724: C3.2 U1.R8 | length 87
  TOP w5: v2(10157.25,6489.65) 10167.94,6500.34 U1.R8@10204.84,6500.34
  BOTTOM w5: v2(10157.25,6489.65) C3.2@10157.25,6524.65
N22565741: C5.2 U1.R10 | length 137.6
  TOP w5: U1.R10@10204.84,6579.08 10236.68,6579.08 10257.25,6599.65 10257.25,6606.65 v2(10260.25,6609.65)
  BOTTOM w5: C5.2@10247.25,6669.65 10260.25,6656.65 v2(10260.25,6609.65)
N22565826: C6.2 U1.R11 | length 114.7
  TOP w5: U1.R11@10204.84,6618.45 10228.45,6618.45 v2(10237.25,6609.65)
  BOTTOM w5: C6.2@10192.25,6669.65 10237.25,6624.65 v2(10237.25,6609.65)
N22565866: C7.2 U1.R12 | length 171.5
  TOP w5: U1.R12@10204.84,6657.82 10225.42,6657.82 10242.25,6674.65 v2(10242.25,6764.65)
  BOTTOM w5: C7.2@10237.25,6799.65 10237.25,6769.65 v2(10242.25,6764.65)
N23352405: 
N23352934: 
N23353007: 
N23353314: 
N23353411: 
N23353426: 
N23353554: 
N23353679: 
N23353728: 
N23353979: 
N23354072: 
N23354090: 
N23354099: 
N23354255: 
N23354526: 
N23354540: 
N23354553: 
N23513593: 
N23769834: 
PCLK: 
RSTN: 
SCK: 
SCK_S: U1.G14 U5.5 | length 906.3
  TOP w5: U1.G14@9889.88,6736.56 v2(9889.88,6784.65)
  BOTTOM w5: U5.5@9328.15,6758.83 9328.15,6880.55 9462.25,7014.65 9592.25,7014.65 9747.25,6859.65 9747.25,6832.94 9805.54,6774.65 9879.88,6774.65 v2(9889.88,6784.65)
SCKS: J6.1 R9.1 R14.1 U5.12 | length 735.6
  BOTTOM w5: U5.12@9328.15,6531.47 9328.15,6333.75 9347.25,6314.65 9347.25,6294.65 9333.66,6281.06 J6.1@9325.14,6281.06 9303.66,6281.06 9282.25,6259.65 9282.25,6179.65 9332.25,6129.65 9437.25,6129.65 R9.1@9457.25,6149.65 9477.25,6169.65 9552.25,6169.65 9562.25,6159.65 R14.1@9562.25,6149.65
SCS: 
SDI_S: U1.H14 U5.6 | length 916.2
  TOP w5: U1.H14@9929.25,6736.56 v2(9929.25,6774.65)
  BOTTOM w5: U5.6@9343.9,6758.83 9343.9,6881.3 9467.25,7004.65 9588.11,7004.65 9645.18,6947.58 9737.25,6855.51 9737.25,6828.8 9801.4,6764.65 9919.25,6764.65 v2(9929.25,6774.65)
SDIS: J6.2 R10.1 R12.2 U5.11 | length 740.3
  BOTTOM w5: U5.11@9343.9,6531.47 9343.9,6333.01 9377.25,6299.65 9377.25,6259.65 9364.56,6246.96 J6.2@9344.82,6246.96 9324.56,6246.96 9312.25,6234.65 9312.25,6169.65 9342.25,6139.65 9427.25,6139.65 9437.25,6149.65 9437.25,6169.65 R10.1@9457.25,6189.65 9477.25,6209.65 9547.25,6209.65 9562.25,6194.65 R12.2@9562.25,6189.65
SI: 
SO: 
TOUT_S: U1.A12 U4.5 | length 414.2
  TOP w5: U1.A12@9653.66,6657.82 9679.08,6657.82 9692.25,6644.65 v2(9841.97,6644.65)
  BOTTOM w5: v2(9841.97,6644.65) 10002.25,6644.65 10019.61,6627.3 U4.5@10055.17,6627.3
TOUTS: J1.16 R7.2 | length 1340
  A-GND w5: v2(9617.25,6659.65) 9693.97,6659.65 9737.25,6616.37 9737.25,6524.65 9702.25,6489.65 9677.25,6489.65 9652.25,6464.65 9652.25,6354.65 9632.25,6334.65 9632.25,6289.65 9567.25,6224.65 9567.25,6049.66 9707.25,5909.65 9758.59,5909.65 9792.25,5943.32 9792.25,5959.65 v2(9807.25,5974.65)
  BOTTOM w5: v2(9617.25,6659.65) 9662.25,6614.65 R7.2@9662.25,6609.65 ; v2(9807.25,5974.65) 9807.25,5989.65 9852.25,6034.65 9867.25,6034.65 9887.25,6054.65 J1.16@9887.25,6079.89
VDSI_S: C16.1 CP10.1 U1.E14 U1.F14 | length 248.5
  TOP w20: U1.E14@9811.14,6736.56 9811.14,6798.54 v1(9812.25,6799.65) ; U1.F14@9850.51,6736.56 9850.51,6792.91 v1(9852.25,6794.65)
  BOTTOM w20: v1(9812.25,6799.65) 9802.25,6809.65 CP10.1@9802.25,6834.6 9847.2,6834.6 C16.1@9847.25,6834.65 9847.25,6799.65 v1(9852.25,6794.65)
VIC_D0: J1.18 U4.43 | length 942
  A-GND w5: v2(9787.25,5989.65) 9772.25,5974.65 9753.11,5974.65 9652.25,6075.51 9652.25,6224.8 9692.25,6264.8 9692.25,6265.37 9732.25,6305.37 9732.25,6474.65 9767.25,6509.65 9767.25,6549.65 9807.25,6589.65 v2(9807.25,6607.6)
  BOTTOM w5: U4.43@9759.89,6607.6 v2(9807.25,6607.6) ; v2(9787.25,5989.65) 9847.88,6050.28 J1.18@9847.88,6079.89
VIC_D1: J1.15 U4.41 | length 936.1
  A-GND w5: v2(9762.25,5993.15) 9748.75,5993.15 9662.25,6079.65 9662.25,6220.65 9702.25,6260.65 9702.25,6261.23 9742.25,6301.22 9742.25,6470.51 9777.25,6505.51 9777.25,6533.23 v2(9812.25,6568.23)
  BOTTOM w5: U4.41@9759.89,6568.23 v2(9812.25,6568.23) ; v2(9762.25,5993.15) 9762.25,5989.65 9847.25,5904.65 9867.25,5904.65 9887.25,5884.65 J1.15@9887.25,5859.41
VIC_D2: J1.14 U4.40 | length 1012.4
  A-GND w5: v2(9827.25,5954.65) 9827.25,5979.65 9797.25,6009.65 9746.4,6009.65 9672.25,6083.8 9672.25,6216.51 9712.25,6256.51 9712.25,6257.08 9752.25,6297.08 9752.25,6466.37 9787.25,6501.37 9787.25,6517.22 9819.68,6549.65 v2(9827.25,6549.65)
  BOTTOM w5: U4.40@9759.89,6548.56 9826.16,6548.56 v2(9827.25,6549.65) ; v2(9827.25,5954.65) 9827.25,5989.65 9862.25,6024.65 9897.25,6024.65 9926.62,6054.02 J1.14@9926.62,6079.89

## Text inside footprints (layer, text, board x,y; h text height)
U5: PIN_NUMBER "13" at 9296.41,6531.47 h20 r180; PIN_NUMBER "4" at 9304.41,6758.83 h20 r180; PIN_NUMBER "7" at 9351.65,6758.83 h20 r180; PIN_NUMBER "6" at 9335.9,6758.83 h20 r180; PIN_NUMBER "5" at 9320.15,6758.83 h20 r180; PIN_NUMBER "11" at 9327.9,6531.47 h20 r180; PIN_NUMBER "12" at 9312.15,6531.47 h20 r180; PIN_NUMBER "10" at 9343.65,6531.47 h20 r180; PIN_NUMBER "16" at 9249.17,6531.47 h20 r180; PIN_NUMBER "8" at 9367.4,6758.83 h20 r180; PIN_NUMBER "2" at 9272.91,6758.83 h20 r180; PIN_NUMBER "3" at 9288.67,6758.83 h20 r180; PIN_NUMBER "9" at 9367.4,6531.47 h20 r180; PIN_NUMBER "15" at 9264.91,6531.47 h20 r180; PIN_NUMBER "14" at 9280.67,6531.47 h20 r180; PIN_NUMBER "1" at 9257.17,6758.83 h20 r180; Bottom Overlay "8" at 9387.28,6760.15 h10 r180; Bottom Overlay "9" at 9384.28,6537.15 h10 r180; Bottom Overlay "16" at 9244.28,6537.15 h10 r180; DIMENSION "3.5" at 9313.15,6545.66 h10 r180; DIMENSION "4.4" at 9405.83,6660.15 h10 r90; DIMENSION "0.4" at 9351.78,6586.09 h10 r180; NOTE "(H=5MM V=6.4MM T=1.2MM PIN-PIN=0.4MM)" at 9245.64,6835.02 h10 r180; NOTE "(TI DGV(R-PDSO.G**)" at 9245.64,6819.27 h10 r180
VS1: PIN_NUMBER "1" at 10051.25,6174.65 h15
X1: PIN_NUMBER "1" at 9794.75,7146.95 h25 r180; PIN_NUMBER "2" at 9994.75,7146.95 h25 r180; PIN_NUMBER "3" at 9994.75,6997.35 h25 r180; PIN_NUMBER "4" at 9794.75,6997.35 h25 r180; Bottom Overlay "1" at 9751.22,7127.27 h11.81 r180; Bottom Overlay "2" at 9747.27,7001.28 h11.81 r180; Bottom Overlay "3" at 10054.36,7146.95 h11.81 r180; Bottom Overlay "4" at 10054.36,7009.17 h11.81 r180; ASSEMBLY_BOTTOM "(OSC\"SWO\"SERIES 7MMX5MM)" at 9634.75,7287.15 h10 r180